# Altium PCB Freezer_Controller.PcbDoc (part 3 of 3)
Units mm, origin at the board's own origin, x right, y up, seen from the top; angles counter-clockwise.
Board outline 100 x 143.2 mm, 4 copper layers (Top Layer, Layer 1, Layer 2, Bottom Layer), stack 1.56 mm thick; 351 components, 222 nets, 1051 pads, 501 vias.
Unrouted connection lines stored in the file: 1.
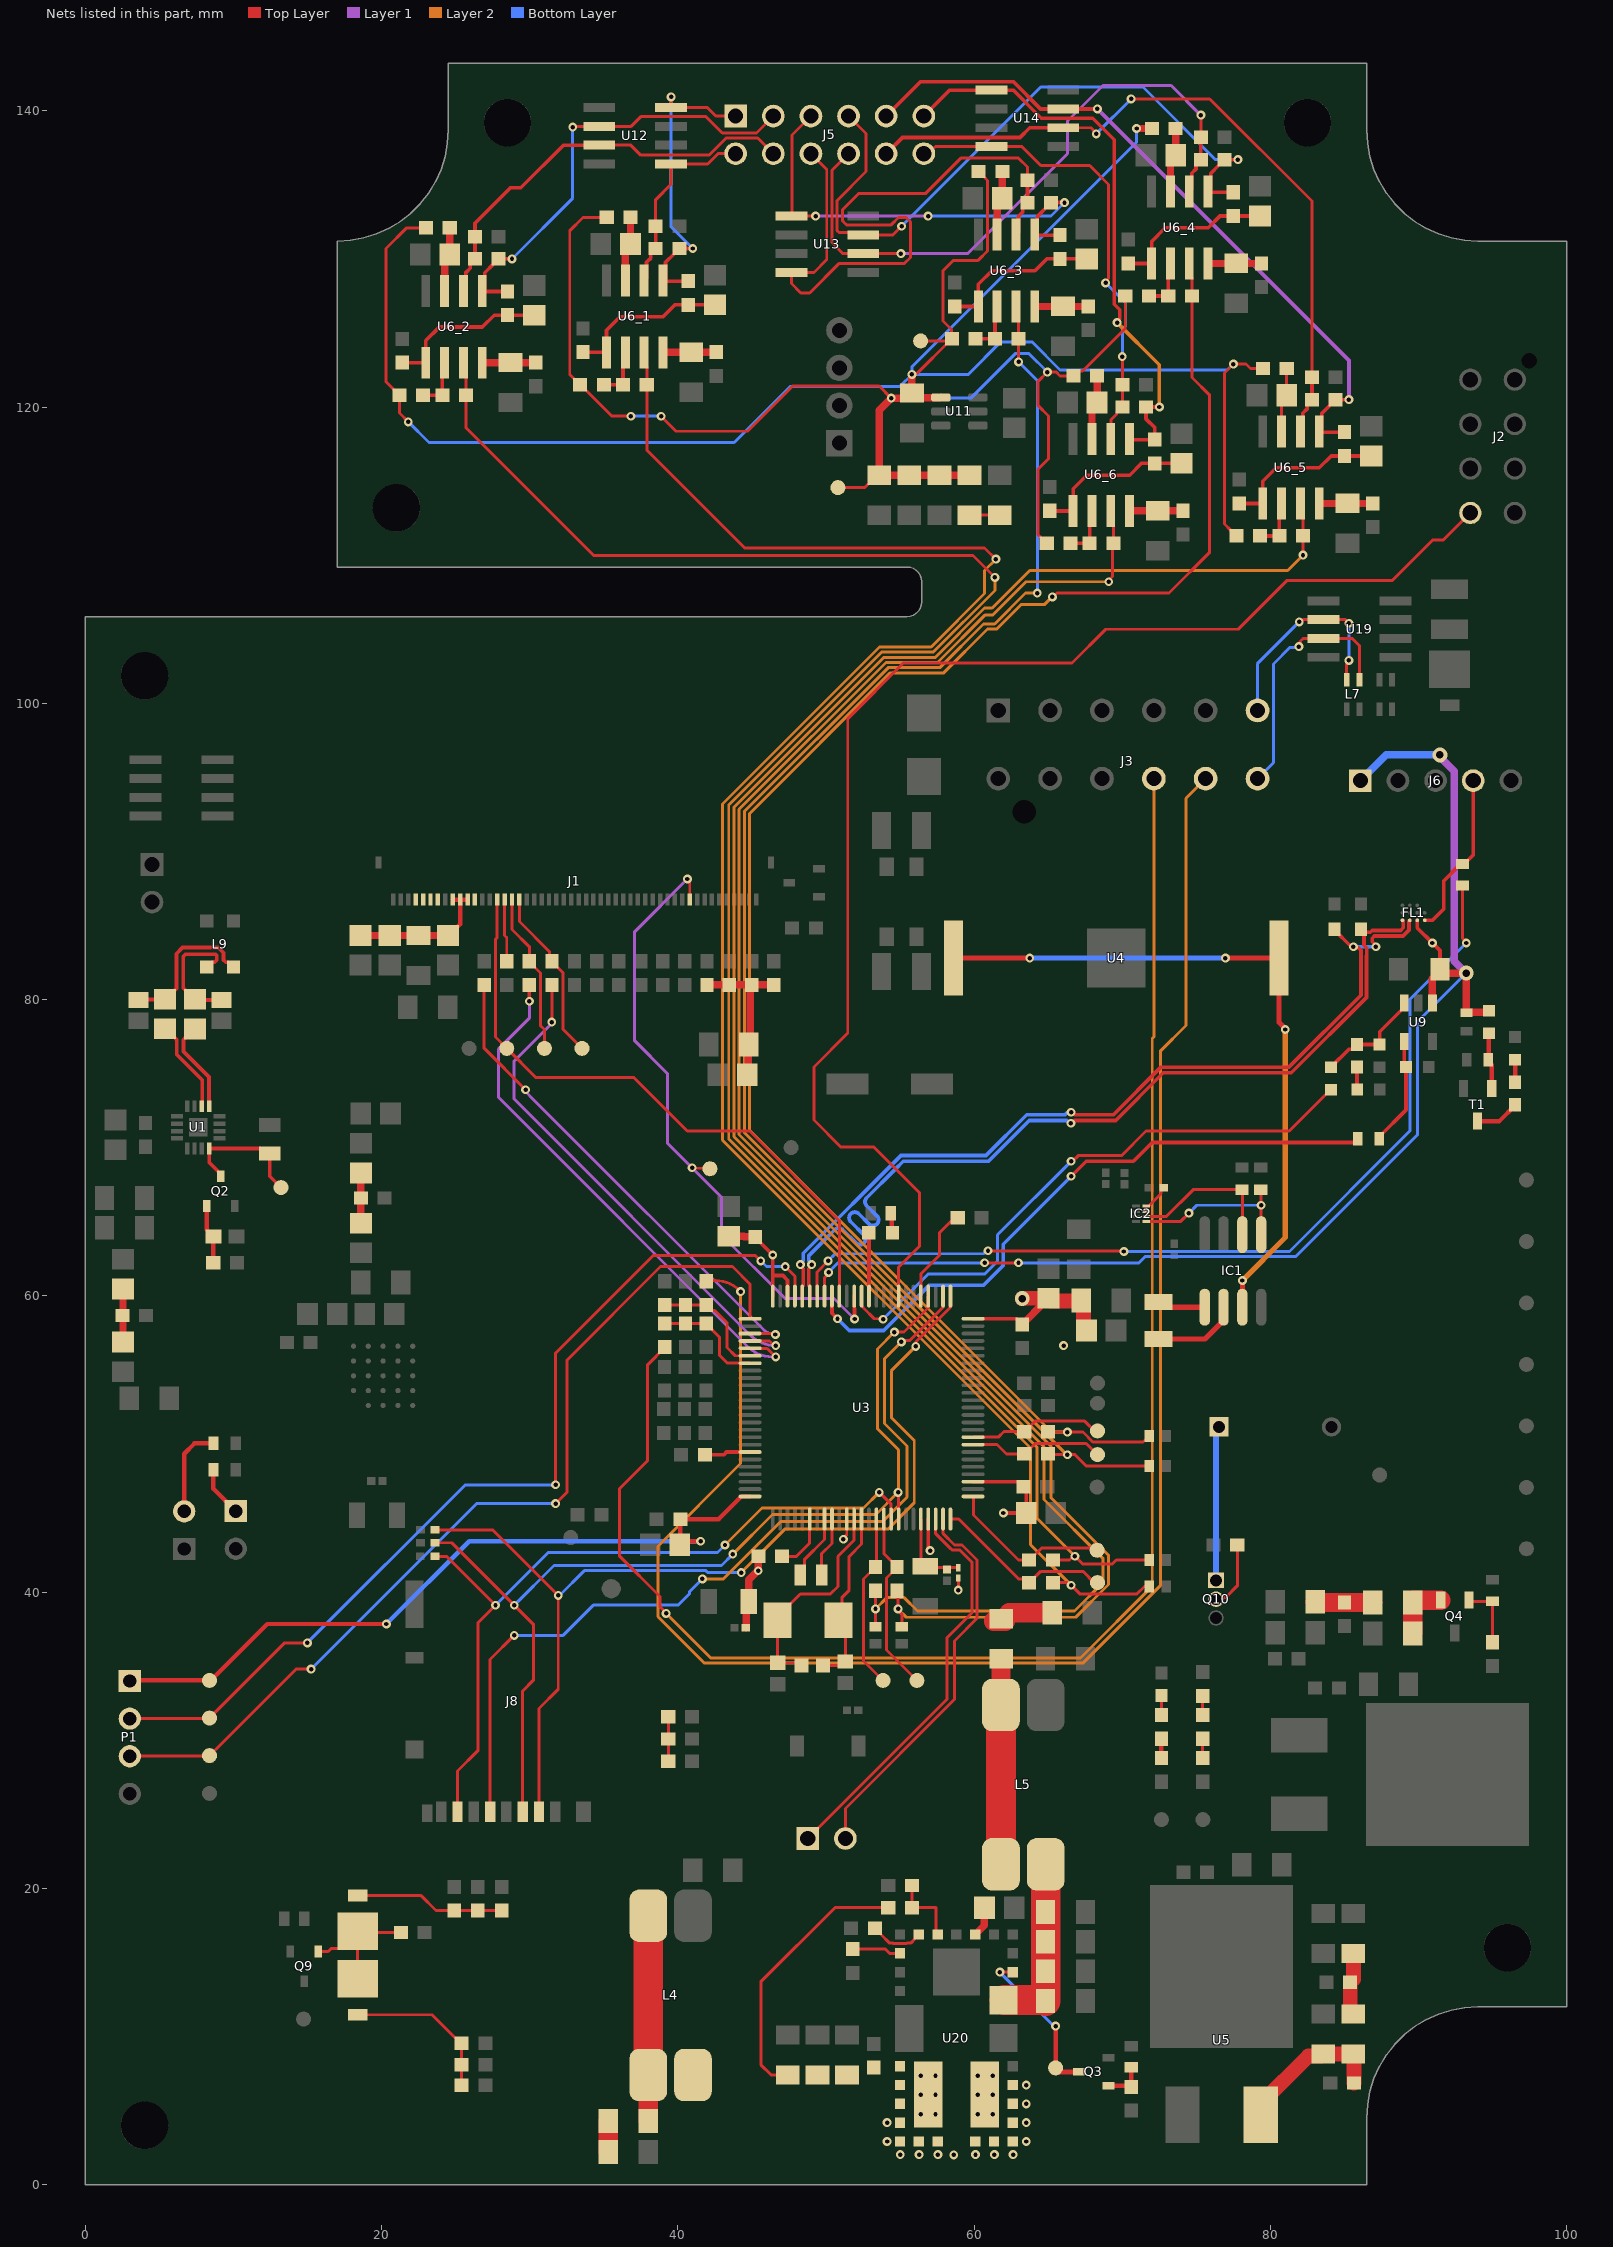
[diagram p5: the nets of this part, all layers, seen from the top]

## Via types
v1: diameter 0.6, hole 0.3, Top Layer to Bottom Layer, tented both sides, 452 vias
v2: diameter 0.6, hole 0.3, Top Layer to Bottom Layer, 34 vias
v3: diameter 1, hole 0.5, Top Layer to Bottom Layer, tented both sides, 15 vias

## Nets (pads, with @x,y where several pads share a name; then routed paths per layer and width w, separated by ;. In a path a pad name is that pad's centre, name@x,y a point inside that pad or via, vN(x,y) a via of type N, cw(c..) or ccw(c..) an arc to the next point about the centre after c; other vN are vias at no path point) (continued)
NetC11_2: C11.2 FB4.1 R9.1 R10.1 R11.1 R13.1 | length 10.7
  Top Layer w0.5: R13.1@41.969,80.988 R11.1@43.473,80.988 R10.1@44.978,80.988 ; FB4.1@44.688,74.93 44.736,74.978 44.736,76.914 C11.2@44.784,76.962 44.881,77.059 44.881,80.891 R10.1@44.978,80.988 ; R9.1@46.482,80.988 R10.1@44.978,80.988
NetC28_2: C28.2 C29.2 L10.1 U3.21 | length 5.6
  Top Layer w0.2: U3.21@56.4,44.931 56.4,42.031 C29.2@56.695,41.736 56.779,41.652 L10.1@58.928,41.652
NetC35_1_2: C35_1.2 R31_1.2 U6_1.8 | length 3.6
  Top Layer w0.5: U6_1.8@38.992,123.688 40.9,123.688 R31_1.2@42.6,123.688
NetC35_2_2: C35_2.2 R31_2.2 U6_2.8 | length 3.6
  Top Layer w0.5: U6_2.8@26.792,122.988 28.7,122.988 R31_2.2@30.4,122.988
NetC35_3_2: C35_3.2 R31_3.2 U6_3.8 | length 3.6
  Top Layer w0.5: U6_3.8@64.092,126.788 66,126.788 R31_3.2@67.7,126.788
NetC35_4_2: C35_4.2 R31_4.2 U6_4.8 | length 3.6
  Top Layer w0.5: U6_4.8@75.792,129.688 77.7,129.688 R31_4.2@79.4,129.688
NetC35_5_2: C35_5.2 R31_5.2 U6_5.8 | length 3.6
  Top Layer w0.5: U6_5.8@83.292,113.488 86.888,113.488 R31_5.2@86.9,113.5
NetC35_6_2: C35_6.2 R31_6.2 U6_6.8 | length 3.6
  Top Layer w0.5: U6_6.8@70.492,112.988 R31_6.2@74.1,112.988
NetC36_1_2: C36_1.2 R32_1.1 U6_1.3 | length 4.4
  Top Layer w0.5: U6_1.3@36.452,128.538 36.452,130.652 C36_1.2@36.8,131 R32_1.1@36.8,132.8
NetC36_2_2: C36_2.2 R32_2.1 U6_2.3 | length 4.4
  Top Layer w0.5: U6_2.3@24.252,127.838 24.252,129.952 C36_2.2@24.6,130.3 R32_2.1@24.6,132.1
NetC36_3_2: C36_3.2 R32_3.1 U6_3.3 | length 4.4
  Top Layer w0.5: U6_3.3@61.552,131.638 61.552,133.752 C36_3.2@61.9,134.1 R32_3.1@61.9,135.9
NetC36_4_2: C36_4.2 R32_4.1 U6_4.3 | length 4.4
  Top Layer w0.5: U6_4.3@73.252,134.538 73.252,136.652 C36_4.2@73.6,137 R32_4.1@73.6,138.8
NetC36_5_2: C36_5.2 R32_5.1 U6_5.3 | length 4.4
  Top Layer w0.2: U6_5.3@80.752,118.338 80.752,120.452 C36_5.2@81.1,120.8 R32_5.1@81.1,122.6
NetC36_6_2: C36_6.2 R32_6.1 U6_6.3 | length 4.4
  Top Layer w0.5: U6_6.3@67.952,117.838 67.952,119.952 C36_6.2@68.3,120.3 R32_6.1@68.3,122.1
NetC46_1: C46.1 R43.2 | length 2
  Top Layer w0.2: C46.1@59.69,112.696 R43.2@61.722,112.696
NetC55_2: C55.2 D6.1 R47.2 R93.2 | length 11
  Top Layer w0.2: D6.1@18,11.47 23.405,11.47 25.375,9.5 25.4,9.5 C55.2@25.4,8.1 R93.2@25.4,6.7
NetC56_2: C56.2 FB8.2 FB9.1 | length 4.3
  Top Layer w1: FB9.1@85.598,11.528 85.532,11.528 85.382,11.678 C56.2@85.382,13.654 85.598,13.87 FB8.2@85.598,15.606
NetC57_2: C57.2 D7.1 R48.2 R99.2 | length 10.5
  Top Layer w0.2: D7.1@18,19.53 22.634,19.53 23.664,18.5 R99.2@28.1,18.5
NetC58_2: C58.2 C59.2 C60.2 C61.2 L4.4 R109.2 U20.12 U20.13 U20.14 U20.15 U20.16 U20.17 U20.18 U20.32 | length 18.4
  Top Layer w0.2: C61.2@47.42,7.4 46.3,7.4 45.6,8.1 45.6,13.7 50.6,18.7 R109.2@54.2,18.7
  other v1: 58.62,2.015 55.01,2.025 56.28,2.025 57.55,2.025 54.12,2.915 54.12,4.185 56.39,4.765 57.39,4.765 56.39,6.065 57.39,6.065 56.39,7.365 57.39,7.365
NetC62_1: C62.1 R106.2 | length 2.1
  Top Layer w1.3: R106.2@35.3,2.2 35.3,2.35 C62.1@35.3,4.3
NetC62_2: C62.2 L4.2 L4.3 | length 13.8
  Top Layer w1.3: C62.2@38,4.3 L4.3@38,7.4
  Top Layer w2: L4.3@38,7.4 L4.2@38,18.15
NetC65_1: C65.1 R107.2 | length 4
  Top Layer w1.3: C65.1@61.312,38.026 C65.1@62.094,38.026 ; C65.1@61.82,38.2 61.97,38.2 62.37,38.6 64.864,38.6 R107.2@64.864,38.608
NetC65_2: C65.2 L5.2 L5.3 | length 13.9
  Top Layer w1.3: L5.2@61.81,32.375 61.82,32.385 C65.2@61.82,35.35 ; C65.2@61.82,35.35 C65.2@61.82,35.5
  Top Layer w2: L5.3@61.81,21.625 L5.2@61.81,32.375
NetC66_2: C66.2 C67.2 C68.2 C69.2 L5.4 U20.27 | length 18
  Top Layer w2: U20.27@62.02,12.465 C66.2@64.755,12.465 ; C69.2@64.82,18.4 C66.2@64.82,12.53 ; L5.4@64.83,21.625 64.83,12.54 C66.2@64.82,12.53 ; C66.2@64.755,12.465 C66.2@64.82,12.53 ; C66.2@64.755,12.465 C66.2@64.82,12.4 C66.2@64.82,12.53
NetC71_2: C71.2 U20.3 | length 2.1
  Top Layer w0.5: U20.3@60.07,16.885 60.678,17.493 60.678,18.678 C71.2@60.7,18.7
NetC76_2: C76.2 FB16.1 Q4.2 | length 4.2
  Top Layer w1.3: C76.2@89.6,37.2 89.6,39.15 FB16.1@89.6,39.3 89.6,39.45 91.502,39.45 Q4.2@91.506,39.454
NetC85_1: C85.1 FB1.2 FB11.1 | length 3.6
  Top Layer w0.5: FB1.2@2.54,56.88 FB11.1@2.54,60.468 ; FB1.2@2.756,56.918 FB1.2@2.794,56.88
NetC88_1: C88.1 FB6.1 FB12.1 | length 3.4
  Top Layer w0.5: FB6.1@18.6,64.9 C88.1@18.6,66.6 FB12.1@18.6,68.3
NetC89_2: C89.2 C90.2 FB9.2 U5.3 | length 10.4
  Top Layer w1: U5.3@79.348,4.732 79.348,5.477 82.549,8.678 83.416,8.678 C89.2@83.566,8.828 FB9.2@85.598,8.828 85.636,8.79 C90.2@85.636,6.858
NetC94_2: C94.2 FB10.1 FB16.2 | length 3.9
  Top Layer w1.3: FB10.1@83.02,39.35 83.02,39.3 C94.2@85,39.3 FB16.2@86.9,39.3
NetD1_1: D1.1 R37.2 | length 1.3
  Top Layer w0.2: R37.2@72.644,31.7 D1.1@72.644,33.02
NetD6_2: D6.2 D7.2 Q9.1 R100.1 | length 9.3
  Top Layer w0.2: Q9.1@15.725,15.732 16.391,15.732 16.589,15.93 17.216,15.93 D7.2@18.386,17.1 D7.2@18.386,17.018 ; D6.2@18.386,13.9 D7.2@18.386,17.018 ; R100.1@21.298,17.018 D7.2@18.386,17.018
NetD8_1: D8.1 R103.1 R104.1 | length 3
  Top Layer w0.2: R104.1@39.351,28.584 D8.1@39.351,31.584
NetD9_1: D9.1 R116.2 | length 1.3
  Top Layer w0.2: R116.2@75.42,31.7 D9.1@75.42,33
NetIC1_1: IC1.1 Y2.2 | length 3.3
  Top Layer w0.35: Y2.2@72.441,59.588 72.798,59.231 IC1.1@75.565,59.231
NetIC1_2: IC1.2 Y2.1 | length 5.8
  Top Layer w0.35: Y2.1@72.441,57.088 75.592,57.088 76.835,58.331 IC1.2@76.835,59.231
NetIC1_3: IC1.3 U4.1 U4.2 | length 46.9
  Top Layer w0.35: U4.2@58.611,82.804 v1(63.754,82.804) ; v1(76.962,82.804) U4.1@80.581,82.804 80.581,78.465 81,78.046 v1(81,77.978) ; IC1.3@78.105,59.231 v2(78.105,61.036)
  Layer 2 w0.35: v2(78.105,61.036) 81,63.931 v1(81,77.978)
  Bottom Layer w0.35: v1(63.754,82.804) v1(76.962,82.804)
NetIC2_7: IC2.7 IC2.8 R132.2 | length 2
  Top Layer w0.2: IC2.7@71.601,65.703 IC2.8@71.601,66.053 ; IC2.8@71.766,66.053 72.611,66.897 72.611,67.135 72.761,67.285 R132.2@72.798,67.285
NetLD1_1: LD1.1 R64.1 | length 1.5
  Top Layer w0.255: R64.1@85.852,73.914 LD1.1@85.852,75.438
NetLD1_2: LD1.2 R65.2 R66.2 U9.3 | length 7.4
  Top Layer w0.255: R66.2@84.074,75.438 84.087,75.438 85.294,76.645 85.573,76.645 85.852,76.924 LD1.2@85.852,76.962 R65.2@87.376,76.962 87.376,77.825 89.032,79.481 U9.3@89.032,79.756
NetLD2_1: LD2.1 R68.1 | length 1.5
  Top Layer w0.3: LD2.1@96.52,74.422 R68.1@96.52,75.946
NetLD2_2: LD2.2 T1.3 | length 3
  Top Layer w0.3: T1.3@93.98,71.798 95.458,71.798 96.52,72.86 LD2.2@96.52,72.898
NetLED1_1: LED1.1 R27.2 | length 1.3
  Top Layer w0.3: R27.2@54.44,65.576 54.44,64.312 LED1.1@54.49,64.262
NetLED1_2: LED1.2 U3.62 | length 4.3
  Top Layer w0.25: LED1.2@52.89,64.262 52.9,64.252 U3.62@52.9,59.981
NetLS1_1: LS1.1 Q10.1 | length 10.4
  Bottom Layer w0.4: Q10.1@76.327,40.792 76.327,50.958 LS1.1@76.525,51.156
NetP2_1: P2.1 R23.2 | length 3.4
  Top Layer w0.3: R23.2@8.648,48.26 8.648,46.978 P2.1@10.16,45.466
NetP3_2: P3.2 R22.2 | length 6.2
  Top Layer w0.3: P3.2@6.673,45.449 6.673,49.345 7.366,50.038 R22.2@8.648,50.038
NetQ2_1: Q2.1 R2.1 R21.2 | length 4.1
  Top Layer w0.3: Q2.1@8.194,66.072 8.194,64.461 8.252,64.403 8.252,64.328 8.572,64.008 R21.2@8.647,64.008 8.635,63.996 R2.1@8.635,62.23
NetQ2_3: Q2.3 R1.2 SD_MODE1.1 U1.4 | length 9
  Top Layer w0.25: Q2.3@9.144,68.072 9.144,68.222 8.37,68.996 U1.4@8.37,69.949 11.843,69.949 12.196,69.596 R1.2@12.446,69.596 12.446,68.072 SD_MODE1.1@13.208,67.31
NetQ3_1: Q3.1 R5.2 R6.1 | length 2.9
  Top Layer w0.3: Q3.1@69.072,6.67 70.546,6.67 R6.1@70.612,6.604 R5.2@70.612,7.936
NetQ3_3: Q3.3 TP1.1 U20.28 | length 10.3
  Top Layer w0.2: v1(61.733,14.345) U20.28@62.63,14.345
  Top Layer w0.3: v1(65.5,10.7) TP1.1@65.5,7.887 TP1.1@65.786,7.601
  Top Layer w0.35: TP1.1@65.786,7.601 67.053,7.601 Q3.3@67.072,7.62
  Bottom Layer w0.2: v1(61.733,14.345) 65.215,10.863
NetQ4_1: Q4.1 R12.2 R26.2 | length 4.4
  Top Layer w0.2: Q4.1@93.406,39.454 93.483,39.377 R26.2@94.996,39.377 R12.2@94.996,36.614
NetQ10_2: Q10.2 R71.2 | length 4.6
  Top Layer w0.2: Q10.2@76.327,39.522 76.444,39.639 76.977,39.639 77.762,40.424 R71.2@77.762,43.18
NetR24_1: R24.1 U3.6 | length 3.9
  Top Layer w0.2: R24.1@47.028,42.418 48.006,42.418 48.9,43.312 U3.6@48.9,44.931
NetR25_2: R25.2 U3.94 | length 3.1
  Top Layer w0.25: R25.2@41.821,49.276 43.108,49.276 43.288,49.456 U3.94@44.875,49.456
NetR28_1: R28.1 R37.1 | length 1.3
  Top Layer w0.3: R28.1@72.644,28.8 R37.1@72.644,30.1
NetR41_2: R41.2 R69.1 U9.4 | length 7.3
  Top Layer w0.25: R41.2@87.339,70.612 87.339,70.737 89.154,72.552 R69.1@89.154,75.425 ; U9.4@89.032,77.156 89.032,75.56 R69.1@89.154,75.438
NetR42_1: R42.1 R117.2 T1.1 | length 3.8
  Top Layer w0.3: R117.2@94.742,77.724 94.723,77.705 94.723,75.964 R42.1@94.705,75.946 94.705,75.821 94.93,75.596 T1.1@94.93,73.998
NetR109_1: R109.1 R111.2 U20.5 | length 5
  Top Layer w0.2: R111.2@55.8,20.2 R109.1@55.8,18.7 57.42,18.7 57.42,17.015 U20.5@57.55,16.885
NetR110_2: R110.2 U20.8 | length 3.3
  Top Layer w0.2: R110.2@51.8,15.9 53.3,15.9 54,15.9 54.285,15.615 U20.8@55.01,15.615
NetR112_2: R112.2 U20.6 | length 3.7
  Top Layer w0.2: R112.2@53.3,17.3 53.325,17.3 53.675,16.95 53.675,16.925 54.3,16.3 54.521,16.3 54.536,16.285 55.444,16.285 55.459,16.3 55.713,16.3 56.03,16.617 56.03,16.635 U20.6@56.28,16.885
NetR115_1: R115.1 R116.1 | length 1.3
  Top Layer w0.2: R115.1@75.42,28.8 R116.1@75.42,30.1
NetU20_19: U20.19 U20.20 U20.21 U20.22 U20.23 U20.24 U20.31
  other v1: 60.09,2.025 61.36,2.025 62.63,2.025 63.52,2.915 63.52,4.185 60.25,4.765 61.25,4.765 63.52,5.455 60.25,6.065 61.25,6.065 63.52,6.725 60.25,7.365 61.25,7.365
O_N: C5.2 FB3.2 L9.1 | length 9.8
  Top Layer w0.255: C5.2@3.81,80.01 5.359,80.01 FB3.2@5.378,80.029 5.428,80.029 6.149,80.75 6.149,81.696 6.149,83.097 6.565,83.513 8.971,83.513 9.327,83.157 9.327,82.672 9.477,82.523 9.677,82.523 L9.1@10,82.2
O_P: C6.2 FB2.2 L9.4 | length 8.6
  Top Layer w0.255: L9.4@8.2,82.2 8.523,82.523 8.723,82.523 8.873,82.672 8.873,82.968 8.783,83.058 6.753,83.058 6.604,82.909 6.604,81.884 6.604,80.784 6.787,80.601 6.787,80.585 7.36,80.013 FB2.2@7.41,80.013 7.456,79.967 C6.2@9.188,79.967
OSC32_IN: U3.8 Y1.1 | length 4.5
  Top Layer w0.2: Y1.1@48.26,41.148 48.535,41.423 48.535,42.185 49.9,43.55 U3.8@49.9,44.931
OSC32_OUT: U3.9 Y1.2 | length 4.1
  Top Layer w0.2: Y1.2@49.71,41.148 49.71,42.598 50.4,43.288 U3.9@50.4,44.931
OSC_IN: C8.1 R4.2 U3.12 Y3.2 | length 14.5
  Top Layer w0.2: Y3.2@46.736,37.846 C8.1@46.736,35.232 48.173,35.232 R4.2@48.353,35.052 ; Y3.2@46.736,38.1 46.736,38.35 48.264,39.878 50.038,39.878 50.292,39.878 50.8,40.386 50.8,42.418 51.9,43.518 U3.12@51.9,44.931
OSC_OUT: C9.1 R4.1 U3.13 Y3.1 | length 11.9
  Top Layer w0.2: R4.1@49.784,35.052 51.054,35.052 C9.1@51.308,35.306 51.308,37.882 51.09,38.1 51.09,39.66 51.562,40.132 51.562,42.411 52.4,43.249 U3.13@52.4,44.931
OTG_FLT: R66.1 U3.63 | length 40.2
  Top Layer w0.2: U3.63@52.4,59.981 52.4,59.317 52.525,59.192 52.525,59.176 53.248,58.453 53.816,58.453 v2(53.848,58.421) ; v2(66.548,69.088) 66.647,69.088 67.022,69.463 69.949,69.463 71.606,71.12 81.267,71.12 84.061,73.914 R66.1@84.074,73.914
  Bottom Layer w0.2: v2(53.848,58.421) 56.895,61.468 60.722,61.468 61.581,62.327 61.581,64.121 v2(66.548,69.088)
OTG_PWR_EN: R41.1 U3.67 | length 43.4
  Top Layer w0.25: U3.67@50.4,59.981 50.4,58.831 50.773,58.458 v2(50.773,58.452) ; v2(66.548,68.072) 67.564,69.088 70.749,69.088 72.019,70.358 85.689,70.358 85.889,70.558 R41.1@85.889,70.612
  Bottom Layer w0.25: v2(50.773,58.452) 51.567,57.658 53.898,57.658 56.946,60.706 60.619,60.706 61.956,62.043 61.956,63.48 v2(66.548,68.072)
OTGOUT: FL1.A3 J6.4 R40.2 | length 11.2
  Top Layer w0.255: FL1.A3@90.412,85.352 90.94,85.352 91.694,86.106 91.694,88.009 92.839,89.154 R40.2@92.964,89.154 93.089,89.154 93.69,89.755 J6.4@93.69,94.775
OUT_N: FB3.1 U1.10 | length 6.3
  Top Layer w0.255: FB3.1@5.378,78.029 5.951,77.456 6.014,77.456 6.163,77.307 6.163,76.31 7.893,74.58 7.893,73.117 7.893,72.822 U1.10@7.87,72.799
OUT_P: FB2.1 U1.9 | length 6.3
  Top Layer w0.255: FB2.1@7.41,78.013 6.837,77.44 6.768,77.44 6.618,77.291 6.618,76.498 8.347,74.769 8.347,73.117 8.347,72.822 U1.9@8.37,72.799
PWR_CTL1: R82.2 U3.55 | length 6.5
  Top Layer w0.2: U3.55@56.4,59.981 56.4,61.48 57.658,62.738 57.658,64.262 58.674,65.278 R82.2@58.928,65.278
PWR_EN: J2.8 U3.58 | length 92.5
  Top Layer w0.2: U3.58@54.9,59.981 54.9,61.934 56.295,63.329 56.295,66.983 53.225,70.053 50.991,70.053 49.18,71.864 49.18,75.449 51.466,77.735 51.466,98.964 55.214,102.712 66.605,102.712 68.891,104.998 77.833,104.998 81.135,108.3 88.234,108.3 90.967,111.033 91.681,111.033 J2.8@93.496,112.848
RD: J1.35 R89.2 | length 4.2
  Top Layer w0.2: J1.35@28.3,86.75 28.3,84.333 28.448,84.185 R89.2@28.448,82.588
READ_F_1: C37_1.2 R33_1.2 R34_1.2 U6_1.5 | length 11.1
  Top Layer w0.25: R34_1.2@33.6,123.7 33.612,123.688 U6_1.5@35.182,123.688 35.182,125.182 36.1,126.1 39,126.1 39.8,126.9 R33_1.2@40.7,126.9 C37_1.2@42.5,126.9
READ_F_2: C37_2.2 R33_2.2 R34_2.2 U6_2.5 | length 11.1
  Top Layer w0.25: R34_2.2@21.4,123 21.412,122.988 U6_2.5@22.982,122.988 22.982,124.482 23.9,125.4 26.8,125.4 27.6,126.2 R33_2.2@28.5,126.2 C37_2.2@30.3,126.2
READ_F_3: C37_3.2 R33_3.2 R34_3.2 U6_3.5 | length 11.1
  Top Layer w0.25: R34_3.2@58.7,126.8 58.712,126.788 U6_3.5@60.282,126.788 60.282,128.282 61.2,129.2 64.1,129.2 64.9,130 R33_3.2@65.8,130 C37_3.2@67.6,130
READ_F_4: C37_4.2 R33_4.2 R34_4.2 U6_4.5 | length 11.1
  Top Layer w0.25: R34_4.2@70.4,129.7 70.412,129.688 U6_4.5@71.982,129.688 71.982,131.182 72.9,132.1 75.8,132.1 76.6,132.9 R33_4.2@77.5,132.9 C37_4.2@79.3,132.9
READ_F_5: C37_5.2 R33_5.2 R34_5.2 U6_5.5 | length 11.1
  Top Layer w0.25: R34_5.2@77.9,113.5 77.912,113.488 U6_5.5@79.482,113.488 79.482,114.982 80.4,115.9 83.3,115.9 84.1,116.7 R33_5.2@85,116.7 C37_5.2@86.8,116.7
READ_F_6: C37_6.2 R33_6.2 R34_6.2 U6_6.5 | length 11.1
  Top Layer w0.25: R34_6.2@65.1,113 65.112,112.988 U6_6.5@66.682,112.988 66.682,114.482 67.6,115.4 70.5,115.4 71.3,116.2 R33_6.2@72.2,116.2 C37_6.2@74,116.2
RESET: J1.10 TP21.1 U3.64 | length 43.5
  Top Layer w0.2: v1(40.64,88.138) 40.64,88.03 40.8,87.87 J1.10@40.8,86.75 ; v1(40.957,68.644) 40.989,68.612 42.132,68.612 TP21.1@42.164,68.58
  Top Layer w0.255: U3.64@51.9,59.981 51.902,59.979 51.902,59.143 51.926,59.119 v1(51.926,58.437)
  Layer 1 w0.2: v1(40.64,88.138) 37.084,84.582 37.084,77.216 39.306,74.994 39.306,70.294 v1(40.957,68.644) 42.951,66.65 42.951,64.11 47.244,59.817 50.546,59.817 v1(51.926,58.437)
RTD1: R83.2 RTD1.1 U3.25 | length 12.3
  Top Layer w0.2: U3.25@58.4,44.931 58.955,44.931 62.992,40.894 63.462,40.894 R83.2@63.716,40.64 63.741,40.64 64.503,41.402 67.343,41.402 68.105,40.64 RTD1.1@68.326,40.64
RTD2: R84.2 RTD2.1 U3.26 | length 11.3
  Top Layer w0.2: U3.26@59.925,46.456 59.948,46.433 59.948,45.208 62.992,42.164 63.741,42.164 64.545,42.968 68.157,42.968 RTD2.1@68.301,42.824
RTD3: R85.2 RTD3.1 U3.33 | length 9.3
  Top Layer w0.2: U3.33@59.925,49.956 61.55,49.956 62.177,49.329 R85.2@63.383,49.329 63.408,49.329 64.117,50.038 67.564,50.038 RTD3.1@68.326,49.276
RTD4: R86.2 RTD4.1 U3.34 | length 9.2
  Top Layer w0.2: U3.34@59.925,50.456 61.632,50.456 62.012,50.836 63.408,50.836 64.108,51.536 67.463,51.536 68.199,50.8 RTD4.1@68.326,50.8
RTD5: R87.2 RTD5.1 U3.15 | length 11.8
  Top Layer w0.2: U3.15@53.4,44.931 53.4,41.754 R87.2@53.34,41.694 53.34,41.669 52.99,41.319 52.965,41.319 52.527,40.881 52.527,35.357 RTD5.1@53.848,34.036
RTD6: R88.2 RTD6.1 U3.16 | length 12.4
  Top Layer w0.2: U3.16@53.9,44.931 53.9,42.609 54.79,41.719 R88.2@54.79,41.694 54.79,41.669 54.077,40.955 54.077,36.093 RTD6.1@56.134,34.036
RTD_N1: C34_1.2 J5.7 R30_1.2 U6_1.2 U12.1 | length 13.3
  Top Layer w0.2: R30_1.2@38.5,132.2 38.5,134 39.538,135.038 U12.1@39.538,136.408 42.008,136.408 42.7,137.1 J5.7@43.9,137.1
  Top Layer w0.25: U6_1.2@37.722,128.538 37.887,128.703 37.887,129.778 38.177,130.068 38.177,130.377 C34_1.2@38.5,130.7 R30_1.2@38.5,132.2
RTD_N2: C34_2.2 J5.8 R30_2.2 U6_2.2 U12.7 | length 28.4
  Top Layer w0.2: U12.7@34.688,137.678 36.822,137.678 37.5,137 42.105,137 43.257,138.152 45.388,138.152 J5.8@46.44,137.1
  Top Layer w0.25: U6_2.2@25.522,127.838 25.687,128.003 25.687,129.078 25.977,129.368 25.977,129.677 C34_2.2@26.3,130 R30_2.2@26.3,131.5 26.3,132.4 28.7,134.8 29.4,134.8 32.278,137.678 U12.7@34.688,137.678
RTD_N3: C34_3.2 J5.9 R30_3.2 U6_3.2 U13.4 | length 47.6
  Top Layer w0.2: J5.9@48.98,137.1 50.05,136.03 50.05,129.95 49.182,129.082 U13.4@47.662,129.082 47.662,128.338 48.3,127.7 48.9,127.7 50.9,129.7 55.3,129.7 55.7,130.1 55.7,132.5 55.4,132.8 54.9,132.8 54.4,132.3 51.376,132.3 51.187,132.489 51.187,132.513 51.1,132.6 51.1,133.3 52.2,134.4 56.7,134.4 59.1,136.8 63,136.8 63.6,136.2 R30_3.2@63.6,135.3
  Top Layer w0.25: U6_3.2@62.822,131.638 62.987,131.803 62.987,132.878 63.277,133.168 63.277,133.477 C34_3.2@63.6,133.8 R30_3.2@63.6,135.3
RTD_N4: C34_4.2 J5.10 R30_4.2 U6_4.2 U13.6 | length 44
  Top Layer w0.2: J5.10@51.52,137.1 50.4,135.98 50.4,131.1 51.148,130.352 U13.6@52.512,130.352 v1(55.052,130.352) ; R30_4.2@75.3,138.2 75.3,139.5 v1(75.3,139.7)
  Top Layer w0.25: U6_4.2@74.522,134.538 74.687,134.703 74.687,135.778 74.977,136.068 74.977,136.377 C34_4.2@75.3,136.7 R30_4.2@75.3,138.2
  Layer 1 w0.2: v1(55.052,130.352) 59.552,130.352 66.3,137.1 66.3,139.3 68.7,141.7 73.3,141.7 v1(75.3,139.7)
RTD_N5: C34_5.2 J5.11 R30_5.2 U6_5.2 U14.6 | length 49.4
  Top Layer w0.2: U14.6@66.012,138.852 67.879,138.852 68.243,138.488 v1(68.243,138.443) ; v1(70.6,140.8) 75.9,140.8 82.8,133.9 R30_5.2@82.8,122
  Top Layer w0.25: J5.11@54.06,137.1 55.16,138.2 63.1,138.2 63.752,138.852 U14.6@66.012,138.852 ; U6_5.2@82.022,118.338 82.187,118.503 82.187,119.578 82.477,119.868 82.477,120.177 C34_5.2@82.8,120.5 R30_5.2@82.8,122
  Bottom Layer w0.2: v1(68.243,138.443) v1(70.6,140.8)
RTD_N6: C34_6.2 J5.12 R30_6.2 U6_6.2 U14.4 | length 32.4
  Top Layer w0.2: J5.12@56.6,137.1 56.9,137.1 57.382,137.582 U14.4@61.162,137.582 63.218,137.582 64.5,136.3 67.8,136.3 69.075,135.025 69.075,128.683 68.875,128.483 v1(68.875,128.375) ; U6_6.2@69.222,117.838 69.222,119.122 69.625,119.525 69.625,119.65 69.975,120 C34_6.2@70,120 R30_6.2@70,121.5 v1(70,123.4)
  Top Layer w0.25: U6_6.2@69.222,117.838 U6_6.2@69.387,118.003
  Layer 1 w0.2: v1@68.875,128.225 v1(68.875,128.375)
  Bottom Layer w0.2: v1(68.875,128.375) 70.2,127.05 70.2,125.472 70,125.272 v1(70,123.4)
RTD_P1: C34_1.1 J5.1 R33_1.1 U6_1.1 U12.4 | length 21.4
  Top Layer w0.2: v1(39.538,140.938) U12.4@39.538,140.218 41.982,140.218 42.56,139.64 J5.1@43.9,139.64
  Top Layer w0.25: R33_1.1@40.7,128.5 39.03,128.5 U6_1.1@38.992,128.538 39.167,128.713 39.167,129.767 39.75,130.35 39.75,130.375 40.075,130.7 v1(41,130.7)
  Bottom Layer w0.2: v1(39.538,140.938) 39.538,132.162 v1(41,130.7)
RTD_P2: C34_2.1 J5.2 R33_2.1 U6_2.1 U12.6 | length 30.6
  Top Layer w0.2: v1(32.9,138.9) 32.948,138.948 U12.6@34.688,138.948 36.848,138.948 37.5,139.6 41.9,139.6 42.998,138.502 45.302,138.502 J5.2@46.44,139.64
  Top Layer w0.25: R33_2.1@28.5,127.8 26.83,127.8 U6_2.1@26.792,127.838 26.967,128.013 26.967,129.067 27.55,129.65 27.55,129.675 27.875,130 v1(28.8,130)
  Bottom Layer w0.2: v1(28.8,130) 32.9,134.1 v1(32.9,138.9)
RTD_P3: C34_3.1 J5.3 R33_3.1 U6_3.1 U13.1 | length 31.4
  Top Layer w0.2: J5.3@48.98,139.64 47.7,138.36 47.7,132.93 U13.1@47.662,132.892 v1(49.292,132.892)
  Top Layer w0.25: R33_3.1@65.8,131.6 64.13,131.6 U6_3.1@64.092,131.638 64.267,131.813 64.267,132.867 64.85,133.45 64.85,133.475 65.175,133.8 C34_3.1@65.2,133.8 v1(66.1,133.8)
  Layer 1 w0.2: v1(49.292,132.892) v1(56.892,132.892)
  Bottom Layer w0.2: v1(56.892,132.892) 65.192,132.892 v1(66.1,133.8)
RTD_P4: C34_4.1 J5.4 R33_4.1 U6_4.1 U13.7 | length 47.6
  Top Layer w0.2: J5.4@51.52,139.64 52.7,138.46 52.7,135.9 50.75,133.95 50.75,131.902 50.867,131.784 52.35,131.784 U13.7@52.512,131.622 54.522,131.622 v1(55.1,132.2)
  Top Layer w0.25: R33_4.1@77.5,134.5 75.83,134.5 U6_4.1@75.792,134.538 75.967,134.713 75.967,135.767 76.55,136.35 76.55,136.375 76.875,136.7 C34_4.1@76.9,136.7 v1(77.8,136.7)